# KiCad board oibus-mini-CCC_PANEL.kicad_pcb (continued)
## Routing (per net, layer and track width the routed paths; a pad name or vN(x,y) marks a point on that pad's centre or on a via; arc(x,y) is an arc through that point) (continued)
NINA_RX: length 701.8
  Top w0.2: U3#2.23 60.1,52.01 59.4,51.31 59.4,50.45 59.17,50.22 59.17,48.66 59.2,48.62 59.2,47.64 59.73,47.11 67.28,47.11 67.57,46.82 67.57,39.53 U8#2.12 ; U3#3.23 97.1,52.01 96.4,51.31 96.4,50.45 96.17,50.22 96.17,48.66 96.2,48.62 96.2,47.64 96.73,47.11 104.28,47.11 104.57,46.82 104.57,39.53 U8#4.12 ; U3#4.23 134.1,52.01 133.4,51.31 133.4,50.45 133.17,50.22 133.17,48.66 133.2,48.62 133.2,47.64 133.73,47.11 141.28,47.11 141.57,46.82 141.57,39.53 U8#3.12 ; U8#6.12 178.57,39.53 178.57,46.82 178.28,47.11 170.73,47.11 170.2,47.64 170.2,48.62 170.17,48.66 170.17,50.22 170.4,50.45 170.4,51.31 171.1,52.01 U3#6.23 ; U3#5.23 208.1,52.01 207.4,51.31 207.4,50.45 207.17,50.22 207.17,48.66 207.2,48.62 207.2,47.64 207.73,47.11 215.28,47.11 215.57,46.82 215.57,39.53 U8#5.12 ; U8#7.12 252.57,39.53 252.57,46.82 252.28,47.11 244.73,47.11 244.2,47.64 244.2,48.62 244.17,48.66 244.17,50.22 244.4,50.45 244.4,51.31 245.1,52.01 U3#8.23 ; U3#7.23 282.1,52.01 281.4,51.31 281.4,50.45 281.17,50.22 281.17,48.66 281.2,48.62 281.2,47.64 281.73,47.11 289.28,47.11 289.57,46.82 289.57,39.53 U8#8.12 ; U3#9.23 23.1,118.01 22.4,117.31 22.4,116.45 22.17,116.22 22.17,114.66 22.2,114.62 22.2,113.64 22.73,113.11 30.28,113.11 30.57,112.82 30.57,105.53 U8#11.12 ; U3#12.23 60.1,118.01 59.4,117.31 59.4,116.45 59.17,116.22 59.17,114.66 59.2,114.62 59.2,113.64 59.73,113.11 67.28,113.11 67.57,112.82 67.57,105.53 U8#9.12 ; U8#13.12 104.57,105.53 104.57,112.82 104.28,113.11 96.73,113.11 96.2,113.64 96.2,114.62 96.17,114.66 96.17,116.22 96.4,116.45 96.4,117.31 97.1,118.01 U3#11.23 ; U3#10.23 134.1,118.01 133.4,117.31 133.4,116.45 133.17,116.22 133.17,114.66 133.2,114.62 133.2,113.64 133.73,113.11 141.28,113.11 141.57,112.82 141.57,105.53 U8#10.12 ; U8#12.12 178.57,105.53 178.57,112.82 178.28,113.11 170.73,113.11 170.2,113.64 170.2,114.62 170.17,114.66 170.17,116.22 170.4,116.45 170.4,117.31 171.1,118.01 U3#14.23 ; U3#13.23 208.1,118.01 207.4,117.31 207.4,116.45 207.17,116.22 207.17,114.66 207.2,114.62 207.2,113.64 207.73,113.11 215.28,113.11 215.57,112.82 215.57,105.53 U8#14.12 ; U3#15.23 282.1,118.01 281.4,117.31 281.4,116.45 281.17,116.22 281.17,114.66 281.2,114.62 281.2,113.64 281.73,113.11 289.28,113.11 289.57,112.82 289.57,105.53 U8#16.12 ; U8#15.12 252.57,105.53 252.57,112.82 252.28,113.11 244.73,113.11 244.2,113.64 244.2,114.62 244.17,114.66 244.17,116.22 244.4,116.45 244.4,117.31 245.1,118.01 U3#16.23 ; U3#23.23 23.1,250.01 22.4,249.31 22.4,248.45 22.17,248.22 22.17,246.66 22.2,246.62 22.2,245.64 22.73,245.11 30.28,245.11 30.57,244.82 30.57,237.53 U8#25.12 ; U3#28.23 60.1,250.01 59.4,249.31 59.4,248.45 59.17,248.22 59.17,246.66 59.2,246.62 59.2,245.64 59.73,245.11 67.28,245.11 67.57,244.82 67.57,237.53 U8#21.12 ; U8#29.12 104.57,237.53 104.57,244.82 104.28,245.11 96.73,245.11 96.2,245.64 96.2,246.62 96.17,246.66 96.17,248.22 96.4,248.45 96.4,249.31 97.1,250.01 U3#27.23 ; U3#26.23 134.1,250.01 133.4,249.31 133.4,248.45 133.17,248.22 133.17,246.66 133.2,246.62 133.2,245.64 133.73,245.11 141.28,245.11 141.57,244.82 141.57,237.53 U8#24.12 ; U3#17.23 23.1,184.01 22.4,183.31 22.4,182.45 22.17,182.22 22.17,180.66 22.2,180.62 22.2,179.64 22.73,179.11 30.28,179.11 30.57,178.82 30.57,171.53 U8#19.12 ; U3#20.23 60.1,184.01 59.4,183.31 59.4,182.45 59.17,182.22 59.17,180.66 59.2,180.62 59.2,179.64 59.73,179.11 67.28,179.11 67.57,178.82 67.57,171.53 U8#17.12 ; U8#22.12 104.57,171.53 104.57,178.82 104.28,179.11 96.73,179.11 96.2,179.64 96.2,180.62 96.17,180.66 96.17,182.22 96.4,182.45 96.4,183.31 97.1,184.01 U3#19.23 ; U3#18.23 134.1,184.01 133.4,183.31 133.4,182.45 133.17,182.22 133.17,180.66 133.2,180.62 133.2,179.64 133.73,179.11 141.28,179.11 141.57,178.82 141.57,171.53 U8#18.12 ; U8#20.12 178.57,171.53 178.57,178.82 178.28,179.11 170.73,179.11 170.2,179.64 170.2,180.62 170.17,180.66 170.17,182.22 170.4,182.45 170.4,183.31 171.1,184.01 U3#22.23 ; U3#21.23 208.1,184.01 207.4,183.31 207.4,182.45 207.17,182.22 207.17,180.66 207.2,180.62 207.2,179.64 207.73,179.11 215.28,179.11 215.57,178.82 215.57,171.53 U8#23.12 ; U3#24.23 282.1,184.01 281.4,183.31 281.4,182.45 281.17,182.22 281.17,180.66 281.2,180.62 281.2,179.64 281.73,179.11 289.28,179.11 289.57,178.82 289.57,171.53 U8#27.12 ; U8#26.12 252.57,171.53 252.57,178.82 252.28,179.11 244.73,179.11 244.2,179.64 244.2,180.62 244.17,180.66 244.17,182.22 244.4,182.45 244.4,183.31 245.1,184.01 U3#25.23 ; U8#28.12 178.57,237.53 178.57,244.82 178.28,245.11 170.73,245.11 170.2,245.64 170.2,246.62 170.17,246.66 170.17,248.22 170.4,248.45 170.4,249.31 171.1,250.01 U3#30.23 ; U3#29.23 208.1,250.01 207.4,249.31 207.4,248.45 207.17,248.22 207.17,246.66 207.2,246.62 207.2,245.64 207.73,245.11 215.28,245.11 215.57,244.82 215.57,237.53 U8#30.12 ; U8#31.12 252.57,237.53 252.57,244.82 252.28,245.11 244.73,245.11 244.2,245.64 244.2,246.62 244.17,246.66 244.17,248.22 244.4,248.45 244.4,249.31 245.1,250.01 U3#32.23 ; U3#31.23 282.1,250.01 281.4,249.31 281.4,248.45 281.17,248.22 281.17,246.66 281.2,246.62 281.2,245.64 281.73,245.11 289.28,245.11 289.57,244.82 289.57,237.53 U8#32.12 ; U3.23 23.1,52.01 22.4,51.31 22.4,50.45 22.17,50.22 22.17,48.66 22.2,48.62 22.2,47.64 22.73,47.11 30.28,47.11 30.57,46.82 30.57,39.53 U8.12
NINA_TX: length 618.8
  Top w0.2: U3#2.22 60.1,53.01 59,51.91 59,50.62 58.77,50.38 58.77,48.49 58.8,48.46 58.8,47.47 59.67,46.61 64.32,46.61 65.89,45.03 U8#2.13 ; U3#3.22 97.1,53.01 96,51.91 96,50.62 95.77,50.38 95.77,48.49 95.8,48.46 95.8,47.47 96.67,46.61 101.32,46.61 102.89,45.03 U8#4.13 ; U3#4.22 134.1,53.01 133,51.91 133,50.62 132.77,50.38 132.77,48.49 132.8,48.46 132.8,47.47 133.67,46.61 138.32,46.61 139.89,45.03 U8#3.13 ; U3#5.22 208.1,53.01 207,51.91 207,50.62 206.77,50.38 206.77,48.49 206.8,48.46 206.8,47.47 207.67,46.61 212.32,46.61 213.89,45.03 U8#5.13 ; U3#6.22 171.1,53.01 170,51.91 170,50.62 169.77,50.38 169.77,48.49 169.8,48.46 169.8,47.47 170.67,46.61 175.32,46.61 176.89,45.03 U8#6.13 ; U3#7.22 282.1,53.01 281,51.91 281,50.62 280.77,50.38 280.77,48.49 280.8,48.46 280.8,47.47 281.67,46.61 286.32,46.61 287.89,45.03 U8#8.13 ; U8#7.13 250.89,45.03 249.32,46.61 244.67,46.61 243.8,47.47 243.8,48.46 243.77,48.49 243.77,50.38 244,50.62 244,51.91 245.1,53.01 U3#8.22 ; U3#9.22 23.1,119.01 22,117.91 22,116.62 21.77,116.38 21.77,114.49 21.8,114.46 21.8,113.47 22.67,112.61 27.32,112.61 28.89,111.03 U8#11.13 ; U3#10.22 134.1,119.01 133,117.91 133,116.62 132.77,116.38 132.77,114.49 132.8,114.46 132.8,113.47 133.67,112.61 138.32,112.61 139.89,111.03 U8#10.13 ; U3#11.22 97.1,119.01 96,117.91 96,116.62 95.77,116.38 95.77,114.49 95.8,114.46 95.8,113.47 96.67,112.61 101.32,112.61 102.89,111.03 U8#13.13 ; U3#12.22 60.1,119.01 59,117.91 59,116.62 58.77,116.38 58.77,114.49 58.8,114.46 58.8,113.47 59.67,112.61 64.32,112.61 65.89,111.03 U8#9.13 ; U3#13.22 208.1,119.01 207,117.91 207,116.62 206.77,116.38 206.77,114.49 206.8,114.46 206.8,113.47 207.67,112.61 212.32,112.61 213.89,111.03 U8#14.13 ; U8#12.13 176.89,111.03 175.32,112.61 170.67,112.61 169.8,113.47 169.8,114.46 169.77,114.49 169.77,116.38 170,116.62 170,117.91 171.1,119.01 U3#14.22 ; U3#15.22 282.1,119.01 281,117.91 281,116.62 280.77,116.38 280.77,114.49 280.8,114.46 280.8,113.47 281.67,112.61 286.32,112.61 287.89,111.03 U8#16.13 ; U3#16.22 245.1,119.01 244,117.91 244,116.62 243.77,116.38 243.77,114.49 243.8,114.46 243.8,113.47 244.67,112.61 249.32,112.61 250.89,111.03 U8#15.13 ; U3#23.22 23.1,251.01 22,249.91 22,248.62 21.77,248.38 21.77,246.49 21.8,246.46 21.8,245.47 22.67,244.61 27.32,244.61 28.89,243.03 U8#25.13 ; U3#28.22 60.1,251.01 59,249.91 59,248.62 58.77,248.38 58.77,246.49 58.8,246.46 58.8,245.47 59.67,244.61 64.32,244.61 65.89,243.03 U8#21.13 ; U3#27.22 97.1,251.01 96,249.91 96,248.62 95.77,248.38 95.77,246.49 95.8,246.46 95.8,245.47 96.67,244.61 101.32,244.61 102.89,243.03 U8#29.13 ; U3#26.22 134.1,251.01 133,249.91 133,248.62 132.77,248.38 132.77,246.49 132.8,246.46 132.8,245.47 133.67,244.61 138.32,244.61 139.89,243.03 U8#24.13 ; U3#29.22 208.1,251.01 207,249.91 207,248.62 206.77,248.38 206.77,246.49 206.8,246.46 206.8,245.47 207.67,244.61 212.32,244.61 213.89,243.03 U8#30.13 ; U3#17.22 23.1,185.01 22,183.91 22,182.62 21.77,182.38 21.77,180.49 21.8,180.46 21.8,179.47 22.67,178.61 27.32,178.61 28.89,177.03 U8#19.13 ; U3#18.22 134.1,185.01 133,183.91 133,182.62 132.77,182.38 132.77,180.49 132.8,180.46 132.8,179.47 133.67,178.61 138.32,178.61 139.89,177.03 U8#18.13 ; U3#19.22 97.1,185.01 96,183.91 96,182.62 95.77,182.38 95.77,180.49 95.8,180.46 95.8,179.47 96.67,178.61 101.32,178.61 102.89,177.03 U8#22.13 ; U3#20.22 60.1,185.01 59,183.91 59,182.62 58.77,182.38 58.77,180.49 58.8,180.46 58.8,179.47 59.67,178.61 64.32,178.61 65.89,177.03 U8#17.13 ; U3#21.22 208.1,185.01 207,183.91 207,182.62 206.77,182.38 206.77,180.49 206.8,180.46 206.8,179.47 207.67,178.61 212.32,178.61 213.89,177.03 U8#23.13 ; U8#20.13 176.89,177.03 175.32,178.61 170.67,178.61 169.8,179.47 169.8,180.46 169.77,180.49 169.77,182.38 170,182.62 170,183.91 171.1,185.01 U3#22.22 ; U3#24.22 282.1,185.01 281,183.91 281,182.62 280.77,182.38 280.77,180.49 280.8,180.46 280.8,179.47 281.67,178.61 286.32,178.61 287.89,177.03 U8#27.13 ; U3#25.22 245.1,185.01 244,183.91 244,182.62 243.77,182.38 243.77,180.49 243.8,180.46 243.8,179.47 244.67,178.61 249.32,178.61 250.89,177.03 U8#26.13 ; U8#28.13 176.89,243.03 175.32,244.61 170.67,244.61 169.8,245.47 169.8,246.46 169.77,246.49 169.77,248.38 170,248.62 170,249.91 171.1,251.01 U3#30.22 ; U3#31.22 282.1,251.01 281,249.91 281,248.62 280.77,248.38 280.77,246.49 280.8,246.46 280.8,245.47 281.67,244.61 286.32,244.61 287.89,243.03 U8#32.13 ; U8#31.13 250.89,243.03 249.32,244.61 244.67,244.61 243.8,245.47 243.8,246.46 243.77,246.49 243.77,248.38 244,248.62 244,249.91 245.1,251.01 U3#32.22 ; U3.22 23.1,53.01 22,51.91 22,50.62 21.77,50.38 21.77,48.49 21.8,48.46 21.8,47.47 22.67,46.61 27.32,46.61 28.89,45.03 U8.13
SPS_RX: length 1333
  Top w0.2: U8#2.30 56.77,36.76 55.28,38.26 55.28,41.89 55.5,42.12 55.5,42.32 55.63,42.45 55.63,43.73 57.55,45.64 57.55,48.02 57.05,48.51 56.6,48.51 55.5,49.61 55.5,51.41 54.8,52.11 53.1,52.11 50.9,54.31 45.3,54.31 J1#2.1 ; U8#4.30 93.77,36.76 92.28,38.26 92.28,41.89 92.5,42.12 92.5,42.32 92.63,42.45 92.63,43.73 94.55,45.64 94.55,48.02 94.05,48.51 93.6,48.51 92.5,49.61 92.5,51.41 91.8,52.11 90.1,52.11 87.9,54.31 82.3,54.31 J1#3.1 ; U8#3.30 130.77,36.76 129.28,38.26 129.28,41.89 129.5,42.12 129.5,42.32 129.63,42.45 129.63,43.73 131.55,45.64 131.55,48.02 131.05,48.51 130.6,48.51 129.5,49.61 129.5,51.41 128.8,52.11 127.1,52.11 124.9,54.31 119.3,54.31 J1#4.1 ; J1#5.1 156.3,54.31 161.9,54.31 164.1,52.11 165.8,52.11 166.5,51.41 166.5,49.61 167.6,48.51 168.05,48.51 168.55,48.02 168.55,45.64 166.63,43.73 166.63,42.45 166.5,42.32 166.5,42.12 166.28,41.89 166.28,38.26 167.77,36.76 U8#6.30 ; U8#5.30 204.77,36.76 203.28,38.26 203.28,41.89 203.5,42.12 203.5,42.32 203.63,42.45 203.63,43.73 205.55,45.64 205.55,48.02 205.05,48.51 204.6,48.51 203.5,49.61 203.5,51.41 202.8,52.11 201.1,52.11 198.9,54.31 193.3,54.31 J1#6.1 ; J1#8.1 230.3,54.31 235.9,54.31 238.1,52.11 239.8,52.11 240.5,51.41 240.5,49.61 241.6,48.51 242.05,48.51 242.55,48.02 242.55,45.64 240.63,43.73 240.63,42.45 240.5,42.32 240.5,42.12 240.28,41.89 240.28,38.26 241.77,36.76 U8#7.30 ; U8#8.30 278.77,36.76 277.28,38.26 277.28,41.89 277.5,42.12 277.5,42.32 277.63,42.45 277.63,43.73 279.55,45.64 279.55,48.02 279.05,48.51 278.6,48.51 277.5,49.61 277.5,51.41 276.8,52.11 275.1,52.11 272.9,54.31 267.3,54.31 J1#7.1 ; U8#11.30 19.77,102.76 18.28,104.26 18.28,107.89 18.5,108.12 18.5,108.32 18.63,108.45 18.63,109.73 20.55,111.64 20.55,114.02 20.05,114.51 19.6,114.51 18.5,115.61 18.5,117.41 17.8,118.11 16.1,118.11 13.9,120.31 8.3,120.31 J1#9.1 ; J1#11.1 82.3,120.31 87.9,120.31 90.1,118.11 91.8,118.11 92.5,117.41 92.5,115.61 93.6,114.51 94.05,114.51 94.55,114.02 94.55,111.64 92.63,109.73 92.63,108.45 92.5,108.32 92.5,108.12 92.28,107.89 92.28,104.26 93.77,102.76 U8#13.30 ; U8#10.30 130.77,102.76 129.28,104.26 129.28,107.89 129.5,108.12 129.5,108.32 129.63,108.45 129.63,109.73 131.55,111.64 131.55,114.02 131.05,114.51 130.6,114.51 129.5,115.61 129.5,117.41 128.8,118.11 127.1,118.11 124.9,120.31 119.3,120.31 J1#12.1 ; U8#9.30 56.77,102.76 55.28,104.26 55.28,107.89 55.5,108.12 55.5,108.32 55.63,108.45 55.63,109.73 57.55,111.64 57.55,114.02 57.05,114.51 56.6,114.51 55.5,115.61 55.5,117.41 54.8,118.11 53.1,118.11 50.9,120.31 45.3,120.31 J1#13.1 ; J1#14.1 156.3,120.31 161.9,120.31 164.1,118.11 165.8,118.11 166.5,117.41 166.5,115.61 167.6,114.51 168.05,114.51 168.55,114.02 168.55,111.64 166.63,109.73 166.63,108.45 166.5,108.32 166.5,108.12 166.28,107.89 166.28,104.26 167.77,102.76 U8#12.30 ; U8#14.30 204.77,102.76 203.28,104.26 203.28,107.89 203.5,108.12 203.5,108.32 203.63,108.45 203.63,109.73 205.55,111.64 205.55,114.02 205.05,114.51 204.6,114.51 203.5,115.61 203.5,117.41 202.8,118.11 201.1,118.11 198.9,120.31 193.3,120.31 J1#10.1 ; J1#16.1 230.3,120.31 235.9,120.31 238.1,118.11 239.8,118.11 240.5,117.41 240.5,115.61 241.6,114.51 242.05,114.51 242.55,114.02 242.55,111.64 240.63,109.73 240.63,108.45 240.5,108.32 240.5,108.12 240.28,107.89 240.28,104.26 241.77,102.76 U8#15.30 ; U8#16.30 278.77,102.76 277.28,104.26 277.28,107.89 277.5,108.12 277.5,108.32 277.63,108.45 277.63,109.73 279.55,111.64 279.55,114.02 279.05,114.51 278.6,114.51 277.5,115.61 277.5,117.41 276.8,118.11 275.1,118.11 272.9,120.31 267.3,120.31 J1#15.1 ; U8#25.30 19.77,234.76 18.28,236.26 18.28,239.89 18.5,240.12 18.5,240.32 18.63,240.45 18.63,241.73 20.55,243.64 20.55,246.02 20.05,246.51 19.6,246.51 18.5,247.61 18.5,249.41 17.8,250.11 16.1,250.11 13.9,252.31 8.3,252.31 J1#24.1 ; U8#21.30 56.77,234.76 55.28,236.26 55.28,239.89 55.5,240.12 55.5,240.32 55.63,240.45 55.63,241.73 57.55,243.64 57.55,246.02 57.05,246.51 56.6,246.51 55.5,247.61 55.5,249.41 54.8,250.11 53.1,250.11 50.9,252.31 45.3,252.31 J1#29.1 ; U8#24.30 130.77,234.76 129.28,236.26 129.28,239.89 129.5,240.12 129.5,240.32 129.63,240.45 129.63,241.73 131.55,243.64 131.55,246.02 131.05,246.51 130.6,246.51 129.5,247.61 129.5,249.41 128.8,250.11 127.1,250.11 124.9,252.31 119.3,252.31 J1#28.1 ; J1#27.1 82.3,252.31 87.9,252.31 90.1,250.11 91.8,250.11 92.5,249.41 92.5,247.61 93.6,246.51 94.05,246.51 94.55,246.02 94.55,243.64 92.63,241.73 92.63,240.45 92.5,240.32 92.5,240.12 92.28,239.89 92.28,236.26 93.77,234.76 U8#29.30 ; J1#30.1 156.3,252.31 161.9,252.31 164.1,250.11 165.8,250.11 166.5,249.41 166.5,247.61 167.6,246.51 168.05,246.51 168.55,246.02 168.55,243.64 166.63,241.73 166.63,240.45 166.5,240.32 166.5,240.12 166.28,239.89 166.28,236.26 167.77,234.76 U8#28.30 ; U8#30.30 204.77,234.76 203.28,236.26 203.28,239.89 203.5,240.12 203.5,240.32 203.63,240.45 203.63,241.73 205.55,243.64 205.55,246.02 205.05,246.51 204.6,246.51 203.5,247.61 203.5,249.41 202.8,250.11 201.1,250.11 198.9,252.31 193.3,252.31 J1#26.1 ; U8#19.30 19.77,168.76 18.28,170.26 18.28,173.89 18.5,174.12 18.5,174.32 18.63,174.45 18.63,175.73 20.55,177.64 20.55,180.02 20.05,180.51 19.6,180.51 18.5,181.61 18.5,183.41 17.8,184.11 16.1,184.11 13.9,186.31 8.3,186.31 J1#17.1 ; J1#19.1 82.3,186.31 87.9,186.31 90.1,184.11 91.8,184.11 92.5,183.41 92.5,181.61 93.6,180.51 94.05,180.51 94.55,180.02 94.55,177.64 92.63,175.73 92.63,174.45 92.5,174.32 92.5,174.12 92.28,173.89 92.28,170.26 93.77,168.76 U8#22.30 ; U8#18.30 130.77,168.76 129.28,170.26 129.28,173.89 129.5,174.12 129.5,174.32 129.63,174.45 129.63,175.73 131.55,177.64 131.55,180.02 131.05,180.51 130.6,180.51 129.5,181.61 129.5,183.41 128.8,184.11 127.1,184.11 124.9,186.31 119.3,186.31 J1#20.1 ; U8#17.30 56.77,168.76 55.28,170.26 55.28,173.89 55.5,174.12 55.5,174.32 55.63,174.45 55.63,175.73 57.55,177.64 57.55,180.02 57.05,180.51 56.6,180.51 55.5,181.61 55.5,183.41 54.8,184.11 53.1,184.11 50.9,186.31 45.3,186.31 J1#21.1 ; J1#22.1 156.3,186.31 161.9,186.31 164.1,184.11 165.8,184.11 166.5,183.41 166.5,181.61 167.6,180.51 168.05,180.51 168.55,180.02 168.55,177.64 166.63,175.73 166.63,174.45 166.5,174.32 166.5,174.12 166.28,173.89 166.28,170.26 167.77,168.76 U8#20.30 ; U8#23.30 204.77,168.76 203.28,170.26 203.28,173.89 203.5,174.12 203.5,174.32 203.63,174.45 203.63,175.73 205.55,177.64 205.55,180.02 205.05,180.51 204.6,180.51 203.5,181.61 203.5,183.41 202.8,184.11 201.1,184.11 198.9,186.31 193.3,186.31 J1#18.1 ; J1#25.1 230.3,186.31 235.9,186.31 238.1,184.11 239.8,184.11 240.5,183.41 240.5,181.61 241.6,180.51 242.05,180.51 242.55,180.02 242.55,177.64 240.63,175.73 240.63,174.45 240.5,174.32 240.5,174.12 240.28,173.89 240.28,170.26 241.77,168.76 U8#26.30 ; U8#27.30 278.77,168.76 277.28,170.26 277.28,173.89 277.5,174.12 277.5,174.32 277.63,174.45 277.63,175.73 279.55,177.64 279.55,180.02 279.05,180.51 278.6,180.51 277.5,181.61 277.5,183.41 276.8,184.11 275.1,184.11 272.9,186.31 267.3,186.31 J1#23.1 ; U8#32.30 278.77,234.76 277.28,236.26 277.28,239.89 277.5,240.12 277.5,240.32 277.63,240.45 277.63,241.73 279.55,243.64 279.55,246.02 279.05,246.51 278.6,246.51 277.5,247.61 277.5,249.41 276.8,250.11 275.1,250.11 272.9,252.31 267.3,252.31 J1#31.1 ; J1#32.1 230.3,252.31 235.9,252.31 238.1,250.11 239.8,250.11 240.5,249.41 240.5,247.61 241.6,246.51 242.05,246.51 242.55,246.02 242.55,243.64 240.63,241.73 240.63,240.45 240.5,240.32 240.5,240.12 240.28,239.89 240.28,236.26 241.77,234.76 U8#31.30 ; U8.30 19.77,36.76 18.28,38.26 18.28,41.89 18.5,42.12 18.5,42.32 18.63,42.45 18.63,43.73 20.55,45.64 20.55,48.02 20.05,48.51 19.6,48.51 18.5,49.61 18.5,51.41 17.8,52.11 16.1,52.11 13.9,54.31 8.3,54.31 J1.1
  Bottom w0.2: J1#2.1 43,53.5 46.83,57.32 R24#2.2 ; J1#3.1 80,53.5 83.83,57.32 R24#3.2 ; J1#4.1 117,53.5 120.83,57.32 R24#4.2 ; J1#6.1 191,53.5 194.82,57.32 R24#6.2 ; R24#5.2 157.82,57.32 154,53.5 J1#5.1 ; J1#7.1 265,53.5 268.82,57.32 R24#7.2 ; R24#8.2 231.82,57.32 228,53.5 J1#8.1 ; J1#9.1 6,119.5 9.82,123.32 R24#9.2 ; J1#12.1 117,119.5 120.83,123.32 R24#12.2 ; J1#13.1 43,119.5 46.83,123.32 R24#13.2 ; R24#11.2 83.83,123.32 80,119.5 J1#11.1 ; J1#10.1 191,119.5 194.82,123.32 R24#10.2 ; R24#14.2 157.82,123.32 154,119.5 J1#14.1 ; J1#15.1 265,119.5 268.82,123.32 R24#15.2 ; R24#16.2 231.82,123.32 228,119.5 J1#16.1 ; J1#24.1 6,251.5 9.82,255.32 R24#23.2 ; J1#29.1 43,251.5 46.83,255.32 R24#29.2 ; J1#28.1 117,251.5 120.83,255.32 R24#28.2 ; R24#27.2 83.83,255.32 80,251.5 J1#27.1 ; J1#26.1 191,251.5 194.82,255.32 R24#26.2 ; J1#17.1 6,185.5 9.82,189.32 R24#17.2 ; J1#20.1 117,185.5 120.83,189.32 R24#20.2 ; J1#21.1 43,185.5 46.83,189.32 R24#21.2 ; R24#19.2 83.83,189.32 80,185.5 J1#19.1 ; J1#18.1 191,185.5 194.82,189.32 R24#18.2 ; R24#22.2 157.82,189.32 154,185.5 J1#22.1 ; J1#23.1 265,185.5 268.82,189.32 R24#24.2 ; R24#25.2 231.82,189.32 228,185.5 J1#25.1 ; R24#30.2 157.82,255.32 154,251.5 J1#30.1 ; J1#31.1 265,251.5 268.82,255.32 R24#31.2 ; R24#32.2 231.82,255.32 228,251.5 J1#32.1 ; R24.2 9.82,57.32 6,53.5 J1.1
SPS_TX: length 666.4
  Top w0.2: R22#2.2 R23#2.1 55.29,48.11 56.89,48.11 57.15,47.85 57.15,45.81 55.23,43.89 55.23,42.62 55.1,42.49 55.1,42.28 54.88,42.05 54.88,38.09 56.71,36.26 U8#2.31 ; R22#3.2 R23#3.1 92.29,48.11 93.89,48.11 94.15,47.85 94.15,45.81 92.23,43.89 92.23,42.62 92.1,42.49 92.1,42.28 91.88,42.05 91.88,38.09 93.71,36.26 U8#4.31 ; R22#4.2 R23#4.1 129.29,48.11 130.89,48.11 131.15,47.85 131.15,45.81 129.23,43.89 129.23,42.62 129.1,42.49 129.1,42.28 128.88,42.05 128.88,38.09 130.71,36.26 U8#3.31 ; R22#5.2 R23#5.1 166.29,48.11 167.89,48.11 168.15,47.85 168.15,45.81 166.23,43.89 166.23,42.62 166.1,42.49 166.1,42.28 165.88,42.05 165.88,38.09 167.71,36.26 U8#6.31 ; R22#6.2 R23#6.1 203.29,48.11 204.89,48.11 205.15,47.85 205.15,45.81 203.23,43.89 203.23,42.62 203.1,42.49 203.1,42.28 202.88,42.05 202.88,38.09 204.71,36.26 U8#5.31 ; R22#8.2 R23#8.1 240.29,48.11 241.89,48.11 242.15,47.85 242.15,45.81 240.23,43.89 240.23,42.62 240.1,42.49 240.1,42.28 239.88,42.05 239.88,38.09 241.71,36.26 U8#7.31 ; R22#7.2 R23#7.1 277.29,48.11 278.89,48.11 279.15,47.85 279.15,45.81 277.23,43.89 277.23,42.62 277.1,42.49 277.1,42.28 276.88,42.05 276.88,38.09 278.71,36.26 U8#8.31 ; R22#9.2 R23#9.1 18.29,114.11 19.89,114.11 20.15,113.85 20.15,111.81 18.23,109.89 18.23,108.62 18.1,108.49 18.1,108.28 17.88,108.05 17.88,104.09 19.71,102.26 U8#11.31 ; R22#11.2 R23#11.1 92.29,114.11 93.89,114.11 94.15,113.85 94.15,111.81 92.23,109.89 92.23,108.62 92.1,108.49 92.1,108.28 91.88,108.05 91.88,104.09 93.71,102.26 U8#13.31 ; R22#13.2 R23#13.1 55.29,114.11 56.89,114.11 57.15,113.85 57.15,111.81 55.23,109.89 55.23,108.62 55.1,108.49 55.1,108.28 54.88,108.05 54.88,104.09 56.71,102.26 U8#9.31 ; R22#12.2 R23#12.1 129.29,114.11 130.89,114.11 131.15,113.85 131.15,111.81 129.23,109.89 129.23,108.62 129.1,108.49 129.1,108.28 128.88,108.05 128.88,104.09 130.71,102.26 U8#10.31 ; R22#14.2 R23#14.1 166.29,114.11 167.89,114.11 168.15,113.85 168.15,111.81 166.23,109.89 166.23,108.62 166.1,108.49 166.1,108.28 165.88,108.05 165.88,104.09 167.71,102.26 U8#12.31 ; R22#10.2 R23#10.1 203.29,114.11 204.89,114.11 205.15,113.85 205.15,111.81 203.23,109.89 203.23,108.62 203.1,108.49 203.1,108.28 202.88,108.05 202.88,104.09 204.71,102.26 U8#14.31 ; R22#16.2 R23#16.1 240.29,114.11 241.89,114.11 242.15,113.85 242.15,111.81 240.23,109.89 240.23,108.62 240.1,108.49 240.1,108.28 239.88,108.05 239.88,104.09 241.71,102.26 U8#15.31 ; R22#15.2 R23#15.1 277.29,114.11 278.89,114.11 279.15,113.85 279.15,111.81 277.23,109.89 277.23,108.62 277.1,108.49 277.1,108.28 276.88,108.05 276.88,104.09 278.71,102.26 U8#16.31 ; R22#23.2 R23#23.1 18.29,246.11 19.89,246.11 20.15,245.85 20.15,243.81 18.23,241.89 18.23,240.62 18.1,240.49 18.1,240.28 17.88,240.05 17.88,236.09 19.71,234.26 U8#25.31 ; R22#27.2 R23#27.1 92.29,246.11 93.89,246.11 94.15,245.85 94.15,243.81 92.23,241.89 92.23,240.62 92.1,240.49 92.1,240.28 91.88,240.05 91.88,236.09 93.71,234.26 U8#29.31 ; R22#29.2 R23#29.1 55.29,246.11 56.89,246.11 57.15,245.85 57.15,243.81 55.23,241.89 55.23,240.62 55.1,240.49 55.1,240.28 54.88,240.05 54.88,236.09 56.71,234.26 U8#21.31 ; R22#28.2 R23#28.1 129.29,246.11 130.89,246.11 131.15,245.85 131.15,243.81 129.23,241.89 129.23,240.62 129.1,240.49 129.1,240.28 128.88,240.05 128.88,236.09 130.71,234.26 U8#24.31 ; R22#30.2 R23#30.1 166.29,246.11 167.89,246.11 168.15,245.85 168.15,243.81 166.23,241.89 166.23,240.62 166.1,240.49 166.1,240.28 165.88,240.05 165.88,236.09 167.71,234.26 U8#28.31 ; R22#17.2 R23#17.1 18.29,180.11 19.89,180.11 20.15,179.85 20.15,177.81 18.23,175.89 18.23,174.62 18.1,174.49 18.1,174.28 17.88,174.05 17.88,170.09 19.71,168.26 U8#19.31 ; R22#19.2 R23#19.1 92.29,180.11 93.89,180.11 94.15,179.85 94.15,177.81 92.23,175.89 92.23,174.62 92.1,174.49 92.1,174.28 91.88,174.05 91.88,170.09 93.71,168.26 U8#22.31 ; R22#21.2 R23#21.1 55.29,180.11 56.89,180.11 57.15,179.85 57.15,177.81 55.23,175.89 55.23,174.62 55.1,174.49 55.1,174.28 54.88,174.05 54.88,170.09 56.71,168.26 U8#17.31 ; R22#20.2 R23#20.1 129.29,180.11 130.89,180.11 131.15,179.85 131.15,177.81 129.23,175.89 129.23,174.62 129.1,174.49 129.1,174.28 128.88,174.05 128.88,170.09 130.71,168.26 U8#18.31 ; R22#22.2 R23#22.1 166.29,180.11 167.89,180.11 168.15,179.85 168.15,177.81 166.23,175.89 166.23,174.62 166.1,174.49 166.1,174.28 165.88,174.05 165.88,170.09 167.71,168.26 U8#20.31 ; R22#18.2 R23#18.1 203.29,180.11 204.89,180.11 205.15,179.85 205.15,177.81 203.23,175.89 203.23,174.62 203.1,174.49 203.1,174.28 202.88,174.05 202.88,170.09 204.71,168.26 U8#23.31 ; R22#25.2 R23#25.1 240.29,180.11 241.89,180.11 242.15,179.85 242.15,177.81 240.23,175.89 240.23,174.62 240.1,174.49 240.1,174.28 239.88,174.05 239.88,170.09 241.71,168.26 U8#26.31 ; R22#24.2 R23#24.1 277.29,180.11 278.89,180.11 279.15,179.85 279.15,177.81 277.23,175.89 277.23,174.62 277.1,174.49 277.1,174.28 276.88,174.05 276.88,170.09 278.71,168.26 U8#27.31 ; R22#26.2 R23#26.1 203.29,246.11 204.89,246.11 205.15,245.85 205.15,243.81 203.23,241.89 203.23,240.62 203.1,240.49 203.1,240.28 202.88,240.05 202.88,236.09 204.71,234.26 U8#30.31 ; R22#32.2 R23#32.1 240.29,246.11 241.89,246.11 242.15,245.85 242.15,243.81 240.23,241.89 240.23,240.62 240.1,240.49 240.1,240.28 239.88,240.05 239.88,236.09 241.71,234.26 U8#31.31 ; R22#31.2 R23#31.1 277.29,246.11 278.89,246.11 279.15,245.85 279.15,243.81 277.23,241.89 277.23,240.62 277.1,240.49 277.1,240.28 276.88,240.05 276.88,236.09 278.71,234.26 U8#32.31 ; U8.31 19.71,36.26 17.88,38.09 17.88,42.05 18.1,42.28 18.1,42.49 18.23,42.62 18.23,43.89 20.15,45.81 20.15,47.85 19.89,48.11 18.29,48.11 R23.1 R22.2
Net-(BT1-Pad2): length 384.7
  Top w0.2: C24#2.1 47.06,5.18 47.12,5.18 47.4,5.46 49.5,5.46 50.05,4.91 50.05,4.71 ; C24#3.1 84.06,5.18 84.12,5.18 84.4,5.46 86.5,5.46 87.05,4.91 87.05,4.71 ; C24#4.1 121.06,5.18 121.12,5.18 121.4,5.46 123.5,5.46 124.05,4.91 124.05,4.71 ; C24#5.1 158.06,5.18 158.12,5.18 158.4,5.46 160.5,5.46 161.05,4.91 161.05,4.71 ; C24#6.1 195.06,5.18 195.12,5.18 195.4,5.46 197.5,5.46 198.05,4.91 198.05,4.71 ; C24#8.1 232.06,5.18 232.12,5.18 232.4,5.46 234.5,5.46 235.05,4.91 235.05,4.71 ; C24#7.1 269.06,5.18 269.12,5.18 269.4,5.46 271.5,5.46 272.05,4.91 272.05,4.71 ; C24#11.1 84.06,71.18 84.12,71.18 84.4,71.46 86.5,71.46 87.05,70.91 87.05,70.71 ; C24#9.1 10.06,71.18 10.12,71.18 10.4,71.46 12.5,71.46 13.05,70.91 13.05,70.71 ; C24#13.1 47.06,71.18 47.12,71.18 47.4,71.46 49.5,71.46 50.05,70.91 50.05,70.71 ; C24#12.1 121.06,71.18 121.12,71.18 121.4,71.46 123.5,71.46 124.05,70.91 124.05,70.71 ; C24#14.1 158.06,71.18 158.12,71.18 158.4,71.46 160.5,71.46 161.05,70.91 161.05,70.71 ; C24#10.1 195.06,71.18 195.12,71.18 195.4,71.46 197.5,71.46 198.05,70.91 198.05,70.71 ; C24#16.1 232.06,71.18 232.12,71.18 232.4,71.46 234.5,71.46 235.05,70.91 235.05,70.71 ; C24#15.1 269.06,71.18 269.12,71.18 269.4,71.46 271.5,71.46 272.05,70.91 272.05,70.71 ; C24#27.1 84.06,203.18 84.12,203.18 84.4,203.46 86.5,203.46 87.05,202.91 87.05,202.71 ; C24#23.1 10.06,203.18 10.12,203.18 10.4,203.46 12.5,203.46 13.05,202.91 13.05,202.71 ; C24#28.1 121.06,203.18 121.12,203.18 121.4,203.46 123.5,203.46 124.05,202.91 124.05,202.71 ; C24#29.1 47.06,203.18 47.12,203.18 47.4,203.46 49.5,203.46 50.05,202.91 50.05,202.71 ; C24#30.1 158.06,203.18 158.12,203.18 158.4,203.46 160.5,203.46 161.05,202.91 161.05,202.71 ; C24#19.1 84.06,137.18 84.12,137.18 84.4,137.46 86.5,137.46 87.05,136.91 87.05,136.71 ; C24#17.1 10.06,137.18 10.12,137.18 10.4,137.46 12.5,137.46 13.05,136.91 13.05,136.71 ; C24#21.1 47.06,137.18 47.12,137.18 47.4,137.46 49.5,137.46 50.05,136.91 50.05,136.71 ; C24#20.1 121.06,137.18 121.12,137.18 121.4,137.46 123.5,137.46 124.05,136.91 124.05,136.71 ; C24#22.1 158.06,137.18 158.12,137.18 158.4,137.46 160.5,137.46 161.05,136.91 161.05,136.71 ; C24#18.1 195.06,137.18 195.12,137.18 195.4,137.46 197.5,137.46 198.05,136.91 198.05,136.71 ; C24#25.1 232.06,137.18 232.12,137.18 232.4,137.46 234.5,137.46 235.05,136.91 235.05,136.71 ; C24#24.1 269.06,137.18 269.12,137.18 269.4,137.46 271.5,137.46 272.05,136.91 272.05,136.71 ; C24#26.1 195.06,203.18 195.12,203.18 195.4,203.46 197.5,203.46 198.05,202.91 198.05,202.71 ; C24#31.1 269.06,203.18 269.12,203.18 269.4,203.46 271.5,203.46 272.05,202.91 272.05,202.71 ; C24#32.1 232.06,203.18 232.12,203.18 232.4,203.46 234.5,203.46 235.05,202.91 235.05,202.71 ; 13.05,4.71 13.05,4.91 12.5,5.46 10.4,5.46 10.12,5.18 10.06,5.18 C24.1